# Altium PCB Electronic Load 20251111.PcbDoc (part 4 of 6) (continued)
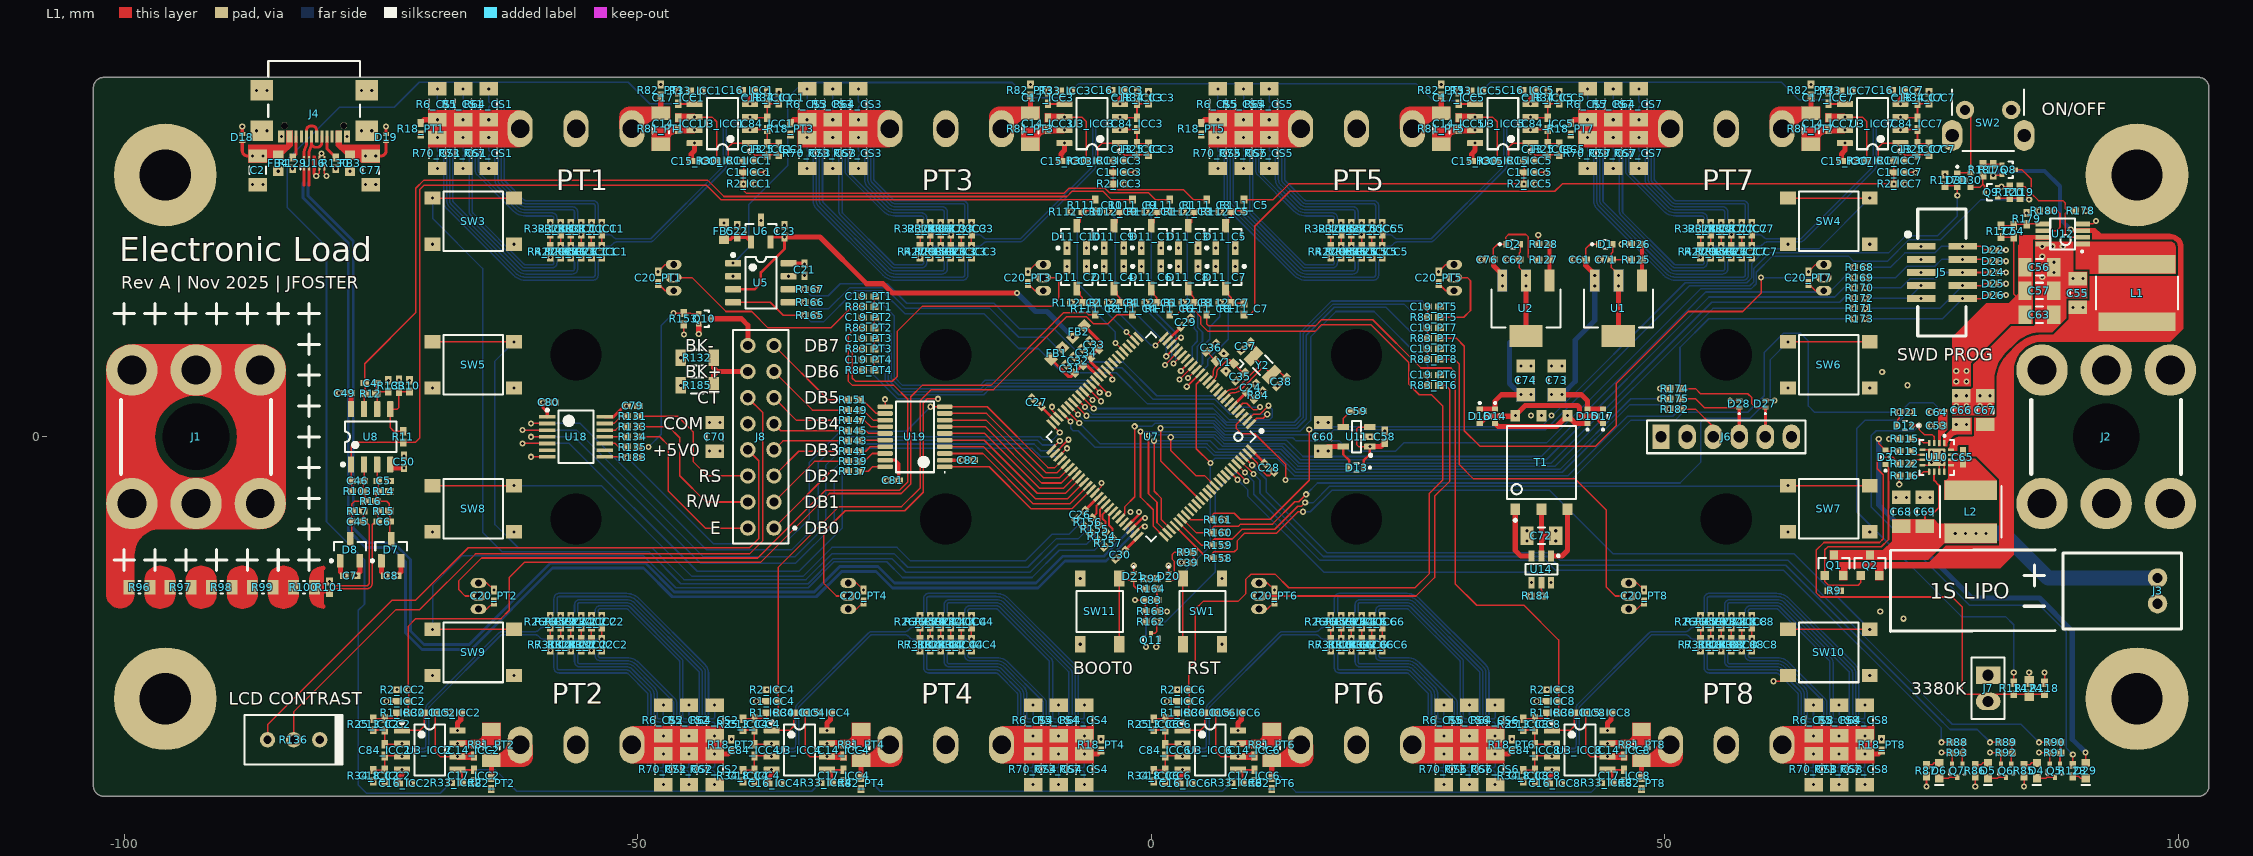
[diagram p0: L1 view]
## Nets (pads, with @x,y where several pads share a name; then routed paths per layer and width w, separated by ;. In a path a pad name is that pad's centre, name@x,y a point inside that pad or via, vN(x,y) a via of type N, cw(c..) or ccw(c..) an arc to the next point about the centre after c; other vN are vias at no path point) (continued)
  other v1: 44.45,-29.865
NetC17_ICC1_2: C17_ICC1.2 R33_ICC1.2 U3_ICC1.5 | length 2.9
  L1 w0.2: C17_ICC1.2@-46.05,32.425 U3_ICC1.5@-44.9,32.425 ; R33_ICC1.2@-44.9,33.675 U3_ICC1.5@-44.9,32.425 ; U3_ICC1.5@-44.45,32.405 -44.47,32.425 U3_ICC1.5@-44.9,32.425
NetC17_ICC2_2: C17_ICC2.2 R33_ICC2.2 U3_ICC2.5 | length 2.9
  L1 w0.2: U3_ICC2.5@-67.55,-32.405 -67.53,-32.425 U3_ICC2.5@-67.1,-32.425 ; R33_ICC2.2@-67.1,-33.675 U3_ICC2.5@-67.1,-32.425 ; C17_ICC2.2@-65.95,-32.425 U3_ICC2.5@-67.1,-32.425
NetC17_ICC3_2: C17_ICC3.2 R33_ICC3.2 U3_ICC3.5 | length 2.9
  L1 w0.2: C17_ICC3.2@-10.05,32.425 U3_ICC3.5@-8.9,32.425 ; R33_ICC3.2@-8.9,33.675 U3_ICC3.5@-8.9,32.425 ; U3_ICC3.5@-8.45,32.405 -8.47,32.425 U3_ICC3.5@-8.9,32.425
NetC17_ICC4_2: C17_ICC4.2 R33_ICC4.2 U3_ICC4.5 | length 2.9
  L1 w0.2: U3_ICC4.5@-31.55,-32.405 -31.53,-32.425 U3_ICC4.5@-31.1,-32.425 ; R33_ICC4.2@-31.1,-33.675 U3_ICC4.5@-31.1,-32.425 ; C17_ICC4.2@-29.95,-32.425 U3_ICC4.5@-31.1,-32.425
NetC17_ICC5_2: C17_ICC5.2 R33_ICC5.2 U3_ICC5.5 | length 2.9
  L1 w0.2: C17_ICC5.2@29.95,32.425 U3_ICC5.5@31.1,32.425 ; R33_ICC5.2@31.1,33.675 U3_ICC5.5@31.1,32.425 ; U3_ICC5.5@31.55,32.405 31.53,32.425 U3_ICC5.5@31.1,32.425
NetC17_ICC6_2: C17_ICC6.2 R33_ICC6.2 U3_ICC6.5 | length 2.9
  L1 w0.2: U3_ICC6.5@8.45,-32.405 8.47,-32.425 U3_ICC6.5@8.9,-32.425 ; R33_ICC6.2@8.9,-33.675 U3_ICC6.5@8.9,-32.425 ; C17_ICC6.2@10.05,-32.425 U3_ICC6.5@8.9,-32.425
NetC17_ICC7_2: C17_ICC7.2 R33_ICC7.2 U3_ICC7.5 | length 2.9
  L1 w0.2: C17_ICC7.2@65.95,32.425 U3_ICC7.5@67.1,32.425 ; R33_ICC7.2@67.1,33.675 U3_ICC7.5@67.1,32.425 ; U3_ICC7.5@67.55,32.405 67.53,32.425 U3_ICC7.5@67.1,32.425
NetC17_ICC8_2: C17_ICC8.2 R33_ICC8.2 U3_ICC8.5 | length 2.9
  L1 w0.2: U3_ICC8.5@44.45,-32.405 44.47,-32.425 U3_ICC8.5@44.9,-32.425 ; R33_ICC8.2@44.9,-33.675 U3_ICC8.5@44.9,-32.425 ; C17_ICC8.2@46.05,-32.425 U3_ICC8.5@44.9,-32.425
NetC18_ICC1_2: C18_ICC1.2 C84_ICC1.1 R4_ICC1.1 R8_ICC1.1 R31_ICC1.1 R32_ICC1.1 R34_ICC1.2 R35_ICC1.1 R36_ICC1.1 U3_ICC1.3 | length 34.4
  L1 w0.15: R4_ICC1.1@-58.5,18.55 v1(-58.5,19.7) ; R35_ICC1.1@-55.5,18.55 v1(-55.5,19.7) ; R36_ICC1.1@-54.5,18.55 v1(-54.5,19.7) ; v1(-39.05,31.135) -38.99,31.075 C84_ICC1.1@-37.375,31.075 C18_ICC1.2@-37.375,32.425 -37.35,32.45 R34_ICC1.2@-36.25,32.45
  L6 w0.15: v1(-58.5,19.7) v1(-55.5,19.7) v1(-54.5,19.7) -52.839,19.7 cw(c-52.839,19.2) -52.486,19.554 -52.354,19.421 ccw(c-52,19.775) -52,19.275 -48.808,19.275 ccw(c-48.808,19.475) -48.666,19.334 -41.734,26.266 ccw(c-41.875,26.408) -41.675,26.408 -41.675,30.15 cw(c-41.175,30.15) -41.175,30.65 -39.742,30.65 ccw(c-39.742,31.15) -39.389,30.796 v1(-39.05,31.135)
NetC18_ICC2_2: C18_ICC2.2 C84_ICC2.1 R4_ICC2.1 R8_ICC2.1 R31_ICC2.1 R32_ICC2.1 R34_ICC2.2 R35_ICC2.1 R36_ICC2.1 U3_ICC2.3 | length 34.4
  L1 w0.15: R34_ICC2.2@-75.75,-32.45 -74.65,-32.45 C18_ICC2.2@-74.625,-32.425 C84_ICC2.1@-74.625,-31.075 -73.01,-31.075 v1(-72.95,-31.135) ; v1(-57.5,-19.7) R36_ICC2.1@-57.5,-18.55 ; v1(-56.5,-19.7) R35_ICC2.1@-56.5,-18.55 ; v1(-53.5,-19.7) R4_ICC2.1@-53.5,-18.55
  L6 w0.15: v1(-72.95,-31.135) -72.611,-30.796 cw(c-72.258,-31.15) -72.258,-30.65 -70.825,-30.65 ccw(c-70.825,-30.15) -70.325,-30.15 -70.325,-26.408 cw(c-70.125,-26.408) -70.266,-26.266 -63.334,-19.334 cw(c-63.192,-19.475) -63.192,-19.275 -60,-19.275 cw(c-60,-19.775) -59.646,-19.421 -59.514,-19.554 ccw(c-59.161,-19.2) -59.161,-19.7 v1(-57.5,-19.7) v1(-56.5,-19.7) v1(-53.5,-19.7)
NetC18_ICC3_2: C18_ICC3.2 C84_ICC3.1 R4_ICC3.1 R8_ICC3.1 R31_ICC3.1 R32_ICC3.1 R34_ICC3.2 R35_ICC3.1 R36_ICC3.1 U3_ICC3.3 | length 34.4
  L1 w0.15: R4_ICC3.1@-22.5,18.55 v1(-22.5,19.7) ; R35_ICC3.1@-19.5,18.55 v1(-19.5,19.7) ; R36_ICC3.1@-18.5,18.55 v1(-18.5,19.7) ; v1(-3.05,31.135) -2.99,31.075 C84_ICC3.1@-1.375,31.075 C18_ICC3.2@-1.375,32.425 -1.35,32.45 R34_ICC3.2@-0.25,32.45
  L6 w0.15: v1(-22.5,19.7) v1(-19.5,19.7) v1(-18.5,19.7) -16.839,19.7 cw(c-16.839,19.2) -16.486,19.554 -16.354,19.421 ccw(c-16,19.775) -16,19.275 -12.808,19.275 ccw(c-12.808,19.475) -12.666,19.334 -5.734,26.266 ccw(c-5.875,26.408) -5.675,26.408 -5.675,30.15 cw(c-5.175,30.15) -5.175,30.65 -3.742,30.65 ccw(c-3.742,31.15) -3.389,30.796 v1(-3.05,31.135)
NetC18_ICC4_2: C18_ICC4.2 C84_ICC4.1 R4_ICC4.1 R8_ICC4.1 R31_ICC4.1 R32_ICC4.1 R34_ICC4.2 R35_ICC4.1 R36_ICC4.1 U3_ICC4.3 | length 34.4
  L1 w0.15: R34_ICC4.2@-39.75,-32.45 -38.65,-32.45 C18_ICC4.2@-38.625,-32.425 C84_ICC4.1@-38.625,-31.075 -37.01,-31.075 v1(-36.95,-31.135) ; v1(-21.5,-19.7) R36_ICC4.1@-21.5,-18.55 ; v1(-20.5,-19.7) R35_ICC4.1@-20.5,-18.55 ; v1(-17.5,-19.7) R4_ICC4.1@-17.5,-18.55
  L6 w0.15: v1(-36.95,-31.135) -36.611,-30.796 cw(c-36.258,-31.15) -36.258,-30.65 -34.825,-30.65 ccw(c-34.825,-30.15) -34.325,-30.15 -34.325,-26.408 cw(c-34.125,-26.408) -34.266,-26.266 -27.334,-19.334 cw(c-27.192,-19.475) -27.192,-19.275 -24,-19.275 cw(c-24,-19.775) -23.646,-19.421 -23.514,-19.554 ccw(c-23.161,-19.2) -23.161,-19.7 v1(-21.5,-19.7) v1(-20.5,-19.7) v1(-17.5,-19.7)
NetC18_ICC5_2: C18_ICC5.2 C84_ICC5.1 R4_ICC5.1 R8_ICC5.1 R31_ICC5.1 R32_ICC5.1 R34_ICC5.2 R35_ICC5.1 R36_ICC5.1 U3_ICC5.3 | length 34.4
  L1 w0.15: R4_ICC5.1@17.5,18.55 v1(17.5,19.7) ; R35_ICC5.1@20.5,18.55 v1(20.5,19.7) ; R36_ICC5.1@21.5,18.55 v1(21.5,19.7) ; v1(36.95,31.135) 37.01,31.075 C84_ICC5.1@38.625,31.075 C18_ICC5.2@38.625,32.425 38.65,32.45 R34_ICC5.2@39.75,32.45
  L6 w0.15: v1(17.5,19.7) v1(20.5,19.7) v1(21.5,19.7) 23.161,19.7 cw(c23.161,19.2) 23.514,19.554 23.646,19.421 ccw(c24,19.775) 24,19.275 27.192,19.275 ccw(c27.192,19.475) 27.334,19.334 34.266,26.266 ccw(c34.125,26.408) 34.325,26.408 34.325,30.15 cw(c34.825,30.15) 34.825,30.65 36.258,30.65 ccw(c36.258,31.15) 36.611,30.796 v1(36.95,31.135)
NetC18_ICC6_2: C18_ICC6.2 C84_ICC6.1 R4_ICC6.1 R8_ICC6.1 R31_ICC6.1 R32_ICC6.1 R34_ICC6.2 R35_ICC6.1 R36_ICC6.1 U3_ICC6.3 | length 34.4
  L1 w0.15: R34_ICC6.2@0.25,-32.45 1.35,-32.45 C18_ICC6.2@1.375,-32.425 C84_ICC6.1@1.375,-31.075 2.99,-31.075 v1(3.05,-31.135) ; v1(18.5,-19.7) R36_ICC6.1@18.5,-18.55 ; v1(19.5,-19.7) R35_ICC6.1@19.5,-18.55 ; v1(22.5,-19.7) R4_ICC6.1@22.5,-18.55
  L6 w0.15: v1(3.05,-31.135) 3.389,-30.796 cw(c3.742,-31.15) 3.742,-30.65 5.175,-30.65 ccw(c5.175,-30.15) 5.675,-30.15 5.675,-26.408 cw(c5.875,-26.408) 5.734,-26.266 12.666,-19.334 cw(c12.808,-19.475) 12.808,-19.275 16,-19.275 cw(c16,-19.775) 16.354,-19.421 16.486,-19.554 ccw(c16.839,-19.2) 16.839,-19.7 v1(18.5,-19.7) v1(19.5,-19.7) v1(22.5,-19.7)
NetC18_ICC7_2: C18_ICC7.2 C84_ICC7.1 R4_ICC7.1 R8_ICC7.1 R31_ICC7.1 R32_ICC7.1 R34_ICC7.2 R35_ICC7.1 R36_ICC7.1 U3_ICC7.3 | length 34.4
  L1 w0.15: R4_ICC7.1@53.5,18.55 v1(53.5,19.7) ; R35_ICC7.1@56.5,18.55 v1(56.5,19.7) ; R36_ICC7.1@57.5,18.55 v1(57.5,19.7) ; v1(72.95,31.135) 73.01,31.075 C84_ICC7.1@74.625,31.075 C18_ICC7.2@74.625,32.425 74.65,32.45 R34_ICC7.2@75.75,32.45
  L6 w0.15: v1(53.5,19.7) v1(56.5,19.7) v1(57.5,19.7) 59.161,19.7 cw(c59.161,19.2) 59.514,19.554 59.646,19.421 ccw(c60,19.775) 60,19.275 63.192,19.275 ccw(c63.192,19.475) 63.334,19.334 70.266,26.266 ccw(c70.125,26.408) 70.325,26.408 70.325,30.15 cw(c70.825,30.15) 70.825,30.65 72.258,30.65 ccw(c72.258,31.15) 72.611,30.796 v1(72.95,31.135)
NetC18_ICC8_2: C18_ICC8.2 C84_ICC8.1 R4_ICC8.1 R8_ICC8.1 R31_ICC8.1 R32_ICC8.1 R34_ICC8.2 R35_ICC8.1 R36_ICC8.1 U3_ICC8.3 | length 34.4
  L1 w0.15: R34_ICC8.2@36.25,-32.45 37.35,-32.45 C18_ICC8.2@37.375,-32.425 C84_ICC8.1@37.375,-31.075 38.99,-31.075 v1(39.05,-31.135) ; v1(54.5,-19.7) R36_ICC8.1@54.5,-18.55 ; v1(55.5,-19.7) R35_ICC8.1@55.5,-18.55 ; v1(58.5,-19.7) R4_ICC8.1@58.5,-18.55
  L6 w0.15: v1(39.05,-31.135) 39.389,-30.796 cw(c39.742,-31.15) 39.742,-30.65 41.175,-30.65 ccw(c41.175,-30.15) 41.675,-30.15 41.675,-26.408 cw(c41.875,-26.408) 41.734,-26.266 48.666,-19.334 cw(c48.808,-19.475) 48.808,-19.275 52,-19.275 cw(c52,-19.775) 52.354,-19.421 52.486,-19.554 ccw(c52.839,-19.2) 52.839,-19.7 v1(54.5,-19.7) v1(55.5,-19.7) v1(58.5,-19.7)
NetC22_2: C22.2 FB5.1 U6.1 | length 2.9
  L1 w0.35: FB5.1@-41.6,19.235 -40.948,19.235 -40.733,19.45 C22.2@-40.3,19.45 -39.425,19.45 U6.1@-38.95,18.975
NetC24_2: C24.2 R84.1 U7.6 | length 3
  L1 w0.3: U7.6@7.955,3.005 C24.2@9.316,4.366 10.023,3.659 R84.1@10.059,3.659
NetC31_2: C31.2 C32.2 FB1.1 U7.37 | length 6.3
  L1 w0.3: FB1.1@-9.751,7.573 -8.037,5.859 -7.823,5.859 C31.2@-7.478,6.205 C32.2@-6.7,6.983 -6.276,6.983 U7.37@-5.127,5.834
NetC33_2: C33.2 C34.2 FB2.1 U7.36 | length 6.3
  L1 w0.3: FB2.1@-6.512,10.812 -4.799,9.098 -4.799,8.884 C33.2@-5.144,8.538 ; C33.2@-5.144,8.538 C34.2@-5.922,7.76 -5.922,7.336 U7.36@-4.773,6.187
NetC45_1: C45.1 C46.2 D8.3 R16.1 R17.2 R103.1 U8.2 | length 8.5
  L1 w0.15: D8.3@-78,-9.925 -77.845,-9.77 C45.1@-77.845,-8.25 -77.845,-7.25 R17.2@-77.82,-7.225 -77.82,-6.52 -77.575,-6.275 R16.1@-76.55,-6.275 -76.55,-5.495 R103.1@-76.72,-5.325 -76.72,-4.325 C46.2@-76.695,-4.3 -76.635,-4.24 U8.2@-76.635,-2.7
NetC46_1: C46.1 R11.1 R103.2 R111_C10.2 U8.1 | length 102.2
  L1 w0.15: R103.2@-77.82,-5.325 -77.82,-4.325 C46.1@-77.845,-4.3 -77.905,-4.24 U8.1@-77.905,-2.7 -77.905,-0.895 -77.56,-0.55 -71.65,-0.55 -71.2,-0.1 -71.2,24.1 -70.8,24.5 -43.3,24.5 -41.9,23.1 R111_C10.2@-5.43,23.1
NetC54_1: C54.1 R177.1 R179.2 U12.5 | length 4.1
  L1 w0.15: R177.1@82.75,20.55 83.975,20.55 C54.1@84,20.575 84.125,20.7 R179.2@85.25,20.7 85.275,20.725 U12.5@86.775,20.725
NetC59_2: C59.2 U11.4 | length 1.9
  L1 w0.15: U11.4@18.7,0.95 18.7,1.775 C59.2@19.425,2.5
NetC65_1: C65.1 L2.2 U10.13 U10.14
NetC65_2: C65.2 U10.15 | length 1.3
  L1 w0.2: U10.15@77.9,-1.75 78.725,-1.75 C65.2@79.05,-1.425
NetC83_1: C83.1 Q11.1 R163.1 R164.2 | length 8.1
  L1 w0.15: R164.2@0.55,-14.8 0.55,-15.324 0.576,-15.349 C83.1@0.575,-15.9 ; C83.1@0.575,-15.9 0.576,-16.451 0.55,-16.476 R163.1@0.55,-17 v1(1.55,-17)
  L6 w0.15: v1(-0.5,-20.45) -0.5,-18.066 0.566,-17 v1(1.55,-17)
NetD3_1: D3.1 Q1.1 Q2.1 R9.2 | length 22.1
  L1 w0.15: R9.2@65.95,-15 65.95,-14.45 ; Q2.1@69.1,-13.5 69.1,-14.2 68.85,-14.45 65.95,-14.45 ; D3.1@71.5,-2.7 71.8,-3 71.8,-10 71.1,-10.7 65.9,-10.7 65.6,-11 Q1.1@65.6,-13.5 65.6,-14.1 65.95,-14.45
NetD4_A: D4.A R85.1 | length 1.3
  L1 w0.15: R85.1@85,-31.95 85.55,-31.95 85.75,-31.75 D4.A@86.25,-31.75
NetD4_C: D4.C Q5.3 | length 1.8
  L1 w0.15: D4.C@86.25,-33.25 87.15,-33.25 87.25,-33.15 Q5.3@88,-33.15
NetD5_A: D5.A R86.1 | length 1.3
  L1 w0.15: R86.1@80.25,-31.95 80.8,-31.95 81,-31.75 D5.A@81.5,-31.75
NetD5_C: D5.C Q6.3 | length 1.8
  L1 w0.15: D5.C@81.5,-33.25 82.4,-33.25 82.5,-33.15 Q6.3@83.25,-33.15
NetD6_A: D6.A R87.1 | length 1.3
  L1 w0.15: R87.1@75.5,-31.95 76.05,-31.95 76.25,-31.75 D6.A@76.75,-31.75
NetD6_C: D6.C Q7.3 | length 1.8
  L1 w0.15: D6.C@76.75,-33.25 77.65,-33.25 77.75,-33.15 Q7.3@78.5,-33.15
NetD11_C1_3: D11_C1.3 R111_C1.1 R112_C1.2 | length 2.9
  L1 w0.15: D11_C1.3@0,20.55 0.325,20.875 0.325,21.225 0.55,21.45 R112_C1.2@0.55,21.925 0.625,22 R111_C1.1@1.81,22
NetD11_C2_3: D11_C2.3 R111_C2.1 R112_C2.2 | length 2.9
  L1 w0.15: D11_C2.3@-7.24,14.45 -6.915,14.125 -6.915,13.775 -6.69,13.55 R112_C2.2@-6.69,13.075 -6.615,13 R111_C2.1@-5.43,13
NetD11_C3_3: D11_C3.3 R111_C3.1 R112_C3.2 | length 2.9
  L1 w0.15: D11_C3.3@3.62,20.55 3.945,20.875 3.945,21.225 4.17,21.45 R112_C3.2@4.17,21.925 4.245,22 R111_C3.1@5.43,22
NetD11_C4_3: D11_C4.3 R111_C4.1 R112_C4.2 | length 2.9
  L1 w0.15: D11_C4.3@-3.62,14.45 -3.295,14.125 -3.295,13.775 -3.07,13.55 R112_C4.2@-3.07,13.075 -2.995,13 R111_C4.1@-1.81,13
NetD11_C5_3: D11_C5.3 R111_C5.1 R112_C5.2 | length 2.9
  L1 w0.15: D11_C5.3@7.24,20.55 7.565,20.875 7.565,21.225 7.79,21.45 R112_C5.2@7.79,21.925 7.865,22 R111_C5.1@9.05,22
NetD11_C6_3: D11_C6.3 R111_C6.1 R112_C6.2 | length 2.9
  L1 w0.15: D11_C6.3@0,14.45 0.325,14.125 0.325,13.775 0.55,13.55 R112_C6.2@0.55,13.075 0.625,13 R111_C6.1@1.81,13
NetD11_C7_3: D11_C7.3 R111_C7.1 R112_C7.2 | length 2.9
  L1 w0.15: D11_C7.3@7.24,14.45 7.565,14.125 7.565,13.775 7.79,13.55 R112_C7.2@7.79,13.075 7.865,13 R111_C7.1@9.05,13
NetD11_C8_3: D11_C8.3 R111_C8.1 R112_C8.2 | length 2.9
  L1 w0.15: D11_C8.3@3.62,14.45 3.945,14.125 3.945,13.775 4.17,13.55 R112_C8.2@4.17,13.075 4.245,13 R111_C8.1@5.43,13
NetD11_C9_3: D11_C9.3 R111_C9.1 R112_C9.2 | length 2.9
  L1 w0.15: D11_C9.3@-3.62,20.55 -3.295,20.875 -3.295,21.225 -3.07,21.45 R112_C9.2@-3.07,21.925 -2.995,22 R111_C9.1@-1.81,22
NetD11_C10_3: D11_C10.3 R111_C10.1 R112_C10.2 | length 2.9
  L1 w0.15: D11_C10.3@-7.24,20.55 -6.915,20.875 -6.915,21.225 -6.69,21.45 R112_C10.2@-6.69,21.925 -6.615,22 R111_C10.1@-5.43,22
NetD12_1: D12.1 R123.1 U10.3 | length 52.7
  L1 w0.15: D12.1@74.1,1.1 v1(74.781,1.1) 74.781,0.719 75.322,0.178 76.075,0.178 76.25,0.004 U10.3@76.25,-0.6 ; R123.1@89.75,-31.95 v1(89.75,-30.95)
  L6 w0.15: v1(74.781,1.1) 74.281,0.6 70.6,0.6 70.1,0.1 70.1,-6.8 79.7,-16.4 86.5,-16.4 89.1,-19 89.1,-30.3 v1(89.75,-30.95)
NetD14_2: D14.2 D15.1 T1.4 | length 9.9
  L1 w0.5: D14.2@33.5,1.3 33.8,1 39.47,1 v1(40.54,2.07) 41.31,1.3 D15.1@42.5,1.3
NetD16_2: D16.2 D17.1 T1.6 | length 13.8
  L1 w0.5: D16.2@32,1.3 32.7,2 35.39,2 v1(35.46,2.07) 36.43,3.04 41.51,3.04 41.7,2.85 41.7,2.2 41.9,2 43.3,2 D17.1@44,1.3
NetD20_2: D20.2 R95.1 SW1.3 SW1.4 | length 11.4
  L1 w0.15: D20.2@1.7,-13.95 2.25,-13.95 2.4,-13.8 ; R95.1@3,-11.225 2.275,-11.225 2.072,-11.428 2.072,-11.944 2.263,-12.136 2.263,-13.663 2.4,-13.8 ; SW1.4@3.1,-20.2 SW1.3@3.1,-13.8 2.4,-13.8
NetD21_2: D21.2 R164.1 SW11.3 SW11.4 | length 9.7
  L1 w0.15: SW11.3@-3.1,-20.2 SW11.4@-3.1,-13.8 -2.358,-13.8 -2.208,-13.95 D21.2@-1.7,-13.95 -1.7,-14.5 -1.4,-14.8 R164.1@-0.55,-14.8
NetD22_2: D22.2 J5.2 R168.2 | length 13.1
  L1 w0.15: v1(79.02,18.54) 80.832,18.54 81.172,18.2 D22.2@81.65,18.2
  L6 w0.15: v1(69.55,16.5) 72,16.5 73.4,17.9 76.3,17.9 76.94,18.54 v1(79.02,18.54)
NetD23_2: D23.2 J5.4 R169.2 | length 12.9
  L1 w0.15: v1(79.02,17.27) 80.875,17.27 81.045,17.1 D23.2@81.65,17.1
  L6 w0.15: v1(69.55,15.5) 72.5,15.5 73.6,16.6 76.3,16.6 76.97,17.27 v1(79.02,17.27)
NetD24_2: D24.2 J5.6 R170.2 | length 12.7
  L1 w0.15: v1(79.02,16) D24.2@81.65,16
  L6 w0.15: v1(69.55,14.5) 73,14.5 73.9,15.4 76.4,15.4 77,16 v1(79.02,16)
NetD25_2: D25.2 J5.8 R171.2 | length 13.1
  L1 w0.15: v1(79.02,14.73) 80.875,14.73 81.045,14.9 D25.2@81.65,14.9
  L6 w0.15: v1(69.55,12.5) 76.79,12.5 v1(79.02,14.73)
NetD26_2: D26.2 J5.10 R173.2 | length 13.1
  L1 w0.15: v1(79.02,13.46) 80.832,13.46 81.172,13.8 D26.2@81.65,13.8
  L6 w0.15: v1(69.55,11.5) 77.06,11.5 v1(79.02,13.46)
NetD29_C: D29.C R123.2 | length 1.3
  L1 w0.15: R123.2@89.75,-33.05 90.3,-33.05 90.5,-33.25 D29.C@91,-33.25
NetD30_1: D30.1 D31.1 SW2.2 | length 7.7
  L1 w0.15: D31.1@78.5,25.7 D30.1@79.8,25.7 79.8,31.28 SW2.2@79.25,31.83
NetD30_2: D30.2 Q9.3 R181.2 | length 3
  L1 w0.15: D30.2@79.8,24.3 80.7,24.3 81,24.6 ; R181.2@81,25.45 81,24.6 ; Q9.3@81.15,23.8 81.15,24.45 81,24.6
NetJ4_A5: J4.A5 R130.2 | length 2.4
  L1 w0.3: J4.A5@-80.25,29.229 -80.25,28.05 R130.2@-79.4,27.2
NetJ4_B5: J4.B5 R129.2 | length 2.2
  L1 w0.3: R129.2@-83.6,27.2 -83.25,27.55 J4.B5@-83.25,29.229
NetJ5_7: J5.7 R172.1 | length 5.9
  L6 w0.15: v1(69.55,13.5) 73.75,13.5 v1(74.98,14.73)
NetJ6_3: J6.3 R182.1 | length 4.9
  L1 w0.15: R182.1@51.55,2.7 53,2.7 54.73,0.97 J6.3@54.73,0
NetJ7_2: J7.2 R114.1 R118.2 R122.1 R124.2 | length 53.3
  L1 w0.15: R122.1@72.85,-2.6 72.25,-2 71,-2 70.7,-2.3 70.7,-3.1 71.3,-3.7 71.3,-9.925 70.935,-10.291 65.509,-10.291 64.75,-11.05 64.75,-15.15 65.2,-15.6 78,-15.6 79,-16.6 79,-24.7 79.35,-25.05 80.78,-25.05 J7.2@81.5,-25.77 82.22,-25.05 R114.1@84,-25.05 85.375,-25.05 R124.2@85.5,-25.175 85.625,-25.05 R118.2@87,-25.05
NetJ8_1: J8.1 R137.1 | length 9.5
  L1 w0.15: J8.1@-36.73,-8.89 -31.19,-3.35 R137.1@-29.55,-3.35
NetJ8_2: J8.2 R134.1 | length 17
  L1 w0.15: R134.1@-49.95,0 -47.846,0 -47,-0.846 -47,-5.3 -43.41,-8.89 J8.2@-39.27,-8.89
NetJ8_3: J8.3 R139.1 | length 8.8
  L1 w0.15: J8.3@-36.73,-6.35 -32.78,-2.4 R139.1@-29.55,-2.4
NetJ8_4: J8.4 R133.1 | length 15.9
  L1 w0.15: R133.1@-49.95,1 -47,1 -45.9,-0.1 -45.9,-3.8 -43.35,-6.35 J8.4@-39.27,-6.35
NetJ8_5: J8.5 R141.1 | length 8.2
  L1 w0.15: J8.5@-36.73,-3.81 -34.32,-1.4 R141.1@-29.55,-1.4
NetJ8_6: J8.6 R131.1 | length 14.8
  L1 w0.15: R131.1@-49.95,2 -46.1,2 -44.6,0.5 -44.6,-2.4 -43.19,-3.81 J8.6@-39.27,-3.81
NetJ8_7: J8.7 R143.1 | length 7.5
  L1 w0.15: J8.7@-36.73,-1.27 -35.86,-0.4 R143.1@-29.55,-0.4
NetJ8_9: J8.9 R145.1 | length 7.5
  L1 w0.15: J8.9@-36.73,1.27 -36.06,0.6 R145.1@-29.55,0.6
NetJ8_11: J8.11 R147.1 | length 8.1
  L1 w0.15: J8.11@-36.73,3.81 -34.52,1.6 R147.1@-29.55,1.6
NetJ8_12: J8.12 R136.2 | length 69.8
  L1 w0.15: R136.2@-83.5,-29.5 -83.5,-26.8 -73.519,-16.819 -71.219,-16.819 -65.8,-11.4 -39.1,-11.4 -37.8,-10.1 -37.8,2.34 J8.12@-39.27,3.81
NetJ8_13: J8.13 R149.1 | length 8.7
  L1 w0.15: J8.13@-36.73,6.35 -32.98,2.6 R149.1@-29.55,2.6
NetJ8_14: J8.14 R132.1 R185.1 | length 6
  L1 w0.5: R185.1@-42.6,5 -42.6,6 -42.25,6.35 ; R132.1@-42.6,7.7 -42.6,6.7 -42.25,6.35 ; J8.14@-39.27,6.35 -42.25,6.35
NetJ8_15: J8.15 R151.1 | length 9.4
  L1 w0.15: J8.15@-36.73,8.89 -31.44,3.6 R151.1@-29.55,3.6
NetJ8_16: J8.16 Q10.3 | length 5.9
  L1 w0.5: Q10.3@-42.95,11.5 -39.9,11.5 -39.27,10.87 J8.16@-39.27,8.89
NetL1_2: L1.2 U12.1
NetNT1_CS1_2: NT1_CS1.2 NT3_CS1.2 NT5_CS1.2 NT7_CS1.2 NT9_CS1.2 NT11_CS1.2 Q4_PT1.3 R5_CS1.2 R6_CS1.2 R18_PT1.2 R64_CS1.2 R67_CS1.2 R70_CS1.2 R73_CS1.2 | length 1.8
  L1 w0.5: R18_PT1.2@-71.125,30.55 -70.8,30.875 v1(-69.5,30.875)
  other v1: -69.5,29.125 -67,29.125 -64.5,29.125 -67,30.875 -64.5,30.875
NetNT1_CS2_2: NT1_CS2.2 NT3_CS2.2 NT5_CS2.2 NT7_CS2.2 NT9_CS2.2 NT11_CS2.2 Q4_PT2.3 R5_CS2.2 R6_CS2.2 R18_PT2.2 R64_CS2.2 R67_CS2.2 R70_CS2.2 R73_CS2.2 | length 1.8
  L1 w0.5: v1(-42.5,-30.875) -41.2,-30.875 R18_PT2.2@-40.875,-30.55
  other v1: -47.5,-30.875 -45,-30.875 -47.5,-29.125 -45,-29.125 -42.5,-29.125
NetNT1_CS3_2: NT1_CS3.2 NT3_CS3.2 NT5_CS3.2 NT7_CS3.2 NT9_CS3.2 NT11_CS3.2 Q4_PT3.3 R5_CS3.2 R6_CS3.2 R18_PT3.2 R64_CS3.2 R67_CS3.2 R70_CS3.2 R73_CS3.2 | length 1.8
  L1 w0.5: R18_PT3.2@-35.125,30.55 -34.8,30.875 v1(-33.5,30.875)
  other v1: -33.5,29.125 -31,29.125 -28.5,29.125 -31,30.875 -28.5,30.875
NetNT1_CS4_2: NT1_CS4.2 NT3_CS4.2 NT5_CS4.2 NT7_CS4.2 NT9_CS4.2 NT11_CS4.2 Q4_PT4.3 R5_CS4.2 R6_CS4.2 R18_PT4.2 R64_CS4.2 R67_CS4.2 R70_CS4.2 R73_CS4.2 | length 1.8
  L1 w0.5: v1(-6.5,-30.875) -5.2,-30.875 R18_PT4.2@-4.875,-30.55
  other v1: -11.5,-30.875 -9,-30.875 -11.5,-29.125 -9,-29.125 -6.5,-29.125
NetNT1_CS5_2: NT1_CS5.2 NT3_CS5.2 NT5_CS5.2 NT7_CS5.2 NT9_CS5.2 NT11_CS5.2 Q4_PT5.3 R5_CS5.2 R6_CS5.2 R18_PT5.2 R64_CS5.2 R67_CS5.2 R70_CS5.2 R73_CS5.2 | length 1.8
  L1 w0.5: R18_PT5.2@4.875,30.55 5.2,30.875 v1(6.5,30.875)
  other v1: 6.5,29.125 9,29.125 11.5,29.125 9,30.875 11.5,30.875
NetNT1_CS6_2: NT1_CS6.2 NT3_CS6.2 NT5_CS6.2 NT7_CS6.2 NT9_CS6.2 NT11_CS6.2 Q4_PT6.3 R5_CS6.2 R6_CS6.2 R18_PT6.2 R64_CS6.2 R67_CS6.2 R70_CS6.2 R73_CS6.2 | length 1.8
  L1 w0.5: v1(33.5,-30.875) 34.8,-30.875 R18_PT6.2@35.125,-30.55
  other v1: 28.5,-30.875 31,-30.875 28.5,-29.125 31,-29.125 33.5,-29.125
NetNT1_CS7_2: NT1_CS7.2 NT3_CS7.2 NT5_CS7.2 NT7_CS7.2 NT9_CS7.2 NT11_CS7.2 Q4_PT7.3 R5_CS7.2 R6_CS7.2 R18_PT7.2 R64_CS7.2 R67_CS7.2 R70_CS7.2 R73_CS7.2 | length 1.8
  L1 w0.5: R18_PT7.2@40.875,30.55 41.2,30.875 v1(42.5,30.875)
  other v1: 42.5,29.125 45,29.125 47.5,29.125 45,30.875 47.5,30.875
NetNT1_CS8_2: NT1_CS8.2 NT3_CS8.2 NT5_CS8.2 NT7_CS8.2 NT9_CS8.2 NT11_CS8.2 Q4_PT8.3 R5_CS8.2 R6_CS8.2 R18_PT8.2 R64_CS8.2 R67_CS8.2 R70_CS8.2 R73_CS8.2 | length 1.8
  L1 w0.5: v1(69.5,-30.875) 70.8,-30.875 R18_PT8.2@71.125,-30.55
  other v1: 64.5,-30.875 67,-30.875 64.5,-29.125 67,-29.125 69.5,-29.125
NetQ4_PT1_1: Q4_PT1.1 R81_PT1.2 R82_PT1.2 | length 1.7
  L1 w0.5: R81_PT1.2@-47.75,31.5 R82_PT1.2@-47.75,33.2
NetQ4_PT2_1: Q4_PT2.1 R81_PT2.2 R82_PT2.2 | length 1.7
  L1 w0.5: R82_PT2.2@-64.25,-33.2 R81_PT2.2@-64.25,-31.5
NetQ4_PT3_1: Q4_PT3.1 R81_PT3.2 R82_PT3.2 | length 1.7
  L1 w0.5: R81_PT3.2@-11.75,31.5 R82_PT3.2@-11.75,33.2
NetQ4_PT4_1: Q4_PT4.1 R81_PT4.2 R82_PT4.2 | length 1.7
  L1 w0.5: R82_PT4.2@-28.25,-33.2 R81_PT4.2@-28.25,-31.5
NetQ4_PT5_1: Q4_PT5.1 R81_PT5.2 R82_PT5.2 | length 1.7
  L1 w0.5: R81_PT5.2@28.25,31.5 R82_PT5.2@28.25,33.2
NetQ4_PT6_1: Q4_PT6.1 R81_PT6.2 R82_PT6.2 | length 1.7
  L1 w0.5: R82_PT6.2@11.75,-33.2 R81_PT6.2@11.75,-31.5
NetQ4_PT7_1: Q4_PT7.1 R81_PT7.2 R82_PT7.2 | length 1.7
  L1 w0.5: R81_PT7.2@64.25,31.5 R82_PT7.2@64.25,33.2
NetQ4_PT8_1: Q4_PT8.1 R81_PT8.2 R82_PT8.2 | length 1.7
  L1 w0.5: R82_PT8.2@47.75,-33.2 R81_PT8.2@47.75,-31.5
NetQ5_1: Q5.1 R90.2 R91.2 | length 2.1
  L1 w0.15: Q5.1@88.5,-31.85 88.5,-30.8 R91.2@88.55,-30.75 R90.2@88.55,-29.75
NetQ6_1: Q6.1 R89.2 R92.2 | length 2.1
  L1 w0.15: Q6.1@83.75,-31.85 83.75,-30.8 R92.2@83.8,-30.75 R89.2@83.8,-29.75
NetQ7_1: Q7.1 R88.2 R93.2 | length 2.1
  L1 w0.15: Q7.1@79,-31.85 79,-30.8 R93.2@79.05,-30.75 R88.2@79.05,-29.75
NetQ8_1: Q8.1 R176.2 R181.1 | length 1.9
  L1 w0.15: R181.1@81,26.55 R176.2@82,26.55 82.805,26.55 Q8.1@82.855,26.5
NetQ9_1: Q9.1 R119.2 R120.1 | length 2.2
  L1 w0.15: Q9.1@82.45,23.3 82.5,23.25 R120.1@83.6,23.25 R119.2@84.6,23.25
NetQ10_1: Q10.1 R135.1 R153.2 | length 17.5
  L1 w0.15: R135.1@-49.95,-1 v1(-48.95,-1) ; v1(-46.5,12.05) R153.2@-45.5,12.05 -44.85,12.05 -44.8,12 Q10.1@-44.05,12
  L6 w0.15: v1(-48.95,-1) -47.7,0.25 -47.7,10.85 v1(-46.5,12.05)
NetR83_PT1_2: R83_PT1.2 U4_PT1.2 | length 21.3
  L1 w0.15: U4_PT1.2@-46.5,15.5 -45.4,15.5 -44.7,15.5 -41.4,12.2 -38.9,12.2 -37.3,10.6 -31.2,10.6 -29.15,12.65 R83_PT1.2@-28.05,12.65
NetR83_PT2_2: R83_PT2.2 U4_PT2.2 | length 71.5
  L1 w0.15: U4_PT2.2@-65.5,-15.5 -66.8,-15.5 -67.4,-14.9 -67.4,-14 -65.2,-11.8 -38.3,-11.8 -31.7,-5.2 -24.5,-5.2 -23.7,-4.4 -23.7,3.651 -25.049,5 -29.084,5 -29.482,5.397 -29.482,9.937 -28.818,10.6 R83_PT2.2@-28.05,10.6
NetR83_PT3_2: R83_PT3.2 U4_PT3.2 | length 33.2
  L1 w0.15: R83_PT3.2@-28.05,8.55 -28.85,8.55 -29.1,8.3 -29.1,5.7 -28.8,5.4 -25.2,5.4 -24.7,5.9 -24.7,10.3 -22.3,12.7 -9.7,12.7 -9,13.4 -9,15.109 -9.391,15.5 U4_PT3.2@-10.5,15.5
NetR83_PT4_2: R83_PT4.2 U4_PT4.2 | length 37.9
  L1 w0.15: U4_PT4.2@-29.5,-15.5 -30.64,-15.5 -31.9,-14.24 -31.9,-9.3 -29.796,-7.196 -23.996,-7.196 -22.2,-5.4 -22.2,3.3 -21.8,3.7 v1(-20.761,3.7)
  L6 w0.15: v1(-28.05,6.5) -27.5,6.5 -24.7,3.7 v1(-20.761,3.7)
NetR83_PT5_2: R83_PT5.2 U4_PT5.2 | length 7.9
  L1 w0.15: R83_PT5.2@28.05,11.65 30.45,11.65 31.1,12.3 31.1,15.2 30.8,15.5 U4_PT5.2@29.5,15.5
NetR83_PT6_2: R83_PT6.2 U4_PT6.2 | length 38
  L1 w0.15: U4_PT6.2@10.5,-15.5 25.8,-15.5 27.6,-13.7 27.6,-5.8 29.1,-4.3 29.1,4.59 28.69,5 R83_PT6.2@28.05,5
NetR83_PT7_2: R83_PT7.2 U4_PT7.2 | length 56.7
  L1 w0.15: R83_PT7.2@28.05,9.6 29.726,9.6 30.5,8.826 30.5,0.6 32,-0.9 43.3,-0.9 45.3,1.1 45.3,5.2 52.3,12.2 57.6,12.2 59.4,14 v1(59.4,15.5)
  L6 w0.15: v1(59.4,15.5) U4_PT7.2@65.5,15.5
NetR83_PT8_2: R83_PT8.2 U4_PT8.2 | length 38.1
  L1 w0.15: R83_PT8.2@28.05,7.55 29.55,7.55 30,7.1 30,-2.7 31.4,-4.1 41.3,-4.1 44.3,-7.1 44.3,-14.6 45.2,-15.5 U4_PT8.2@46.5,-15.5
NetR96_1: R96.1 R97.2
NetR97_1: R97.1 R98.2
NetR98_1: R98.1 R99.2
NetR99_1: R99.1 R100.2
NetR113_1: R113.1 U10.6 | length 1.3
  L1 w0.15: R113.1@73.95,-1.4 74.3,-1.75 U10.6@75.1,-1.75
NetR115_2: R115.2 U10.4 | length 2
  L1 w0.15: R115.2@73.95,-0.2 74.808,-0.2 75.208,-0.6 U10.4@75.75,-0.6
NetR116_1: R116.1 U10.9 | length 2
  L1 w0.15: R116.1@73.95,-3.8 74.808,-3.8 75.208,-3.4 U10.9@75.75,-3.4